# Altium PCB OpenCore_Carrier_Board.PcbDoc (part 3 of 5) (continued)
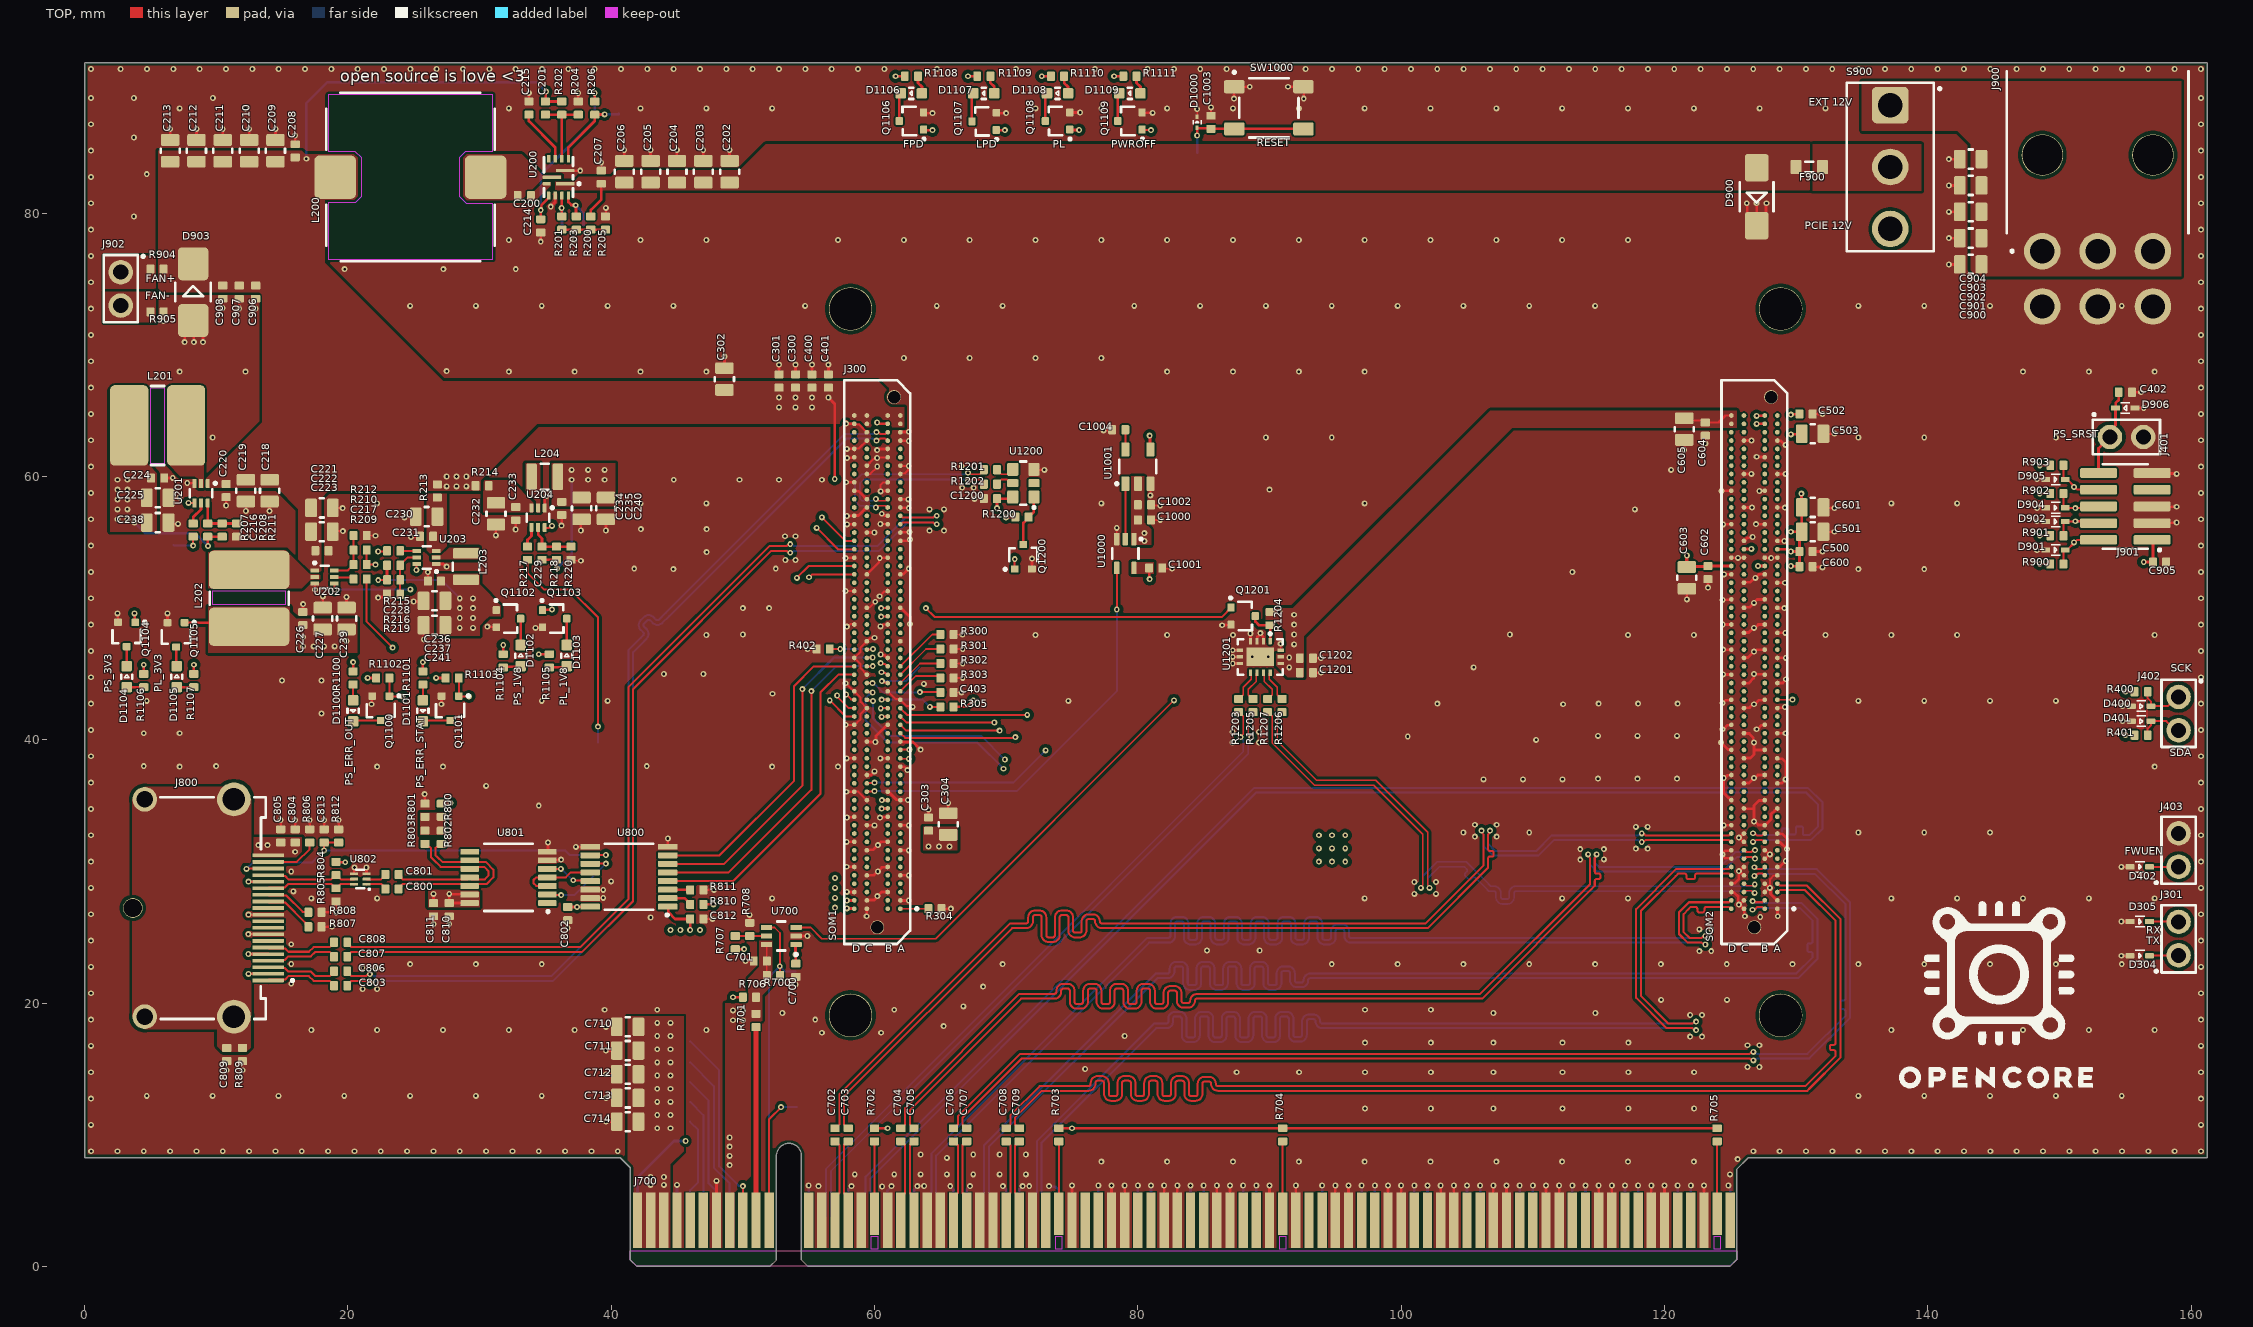
[diagram p0: TOP view]
## Nets (pads, with @x,y where several pads share a name; then routed paths per layer and width w, separated by ;. In a path a pad name is that pad's centre, name@x,y a point inside that pad or via, vN(x,y) a via of type N, cw(c..) or ccw(c..) an arc to the next point about the centre after c; other vN are vias at no path point) (continued)
  BOT w0.203: J700.A4@45,3.5 v1(45,6.2) ; J700.A12@55,3.5 v1(55,6.15) ; J700.A15@58,3.5 58,5.85 v1(58.25,6.1) ; J700.A18@61,3.5 60.975,3.525 60.975,5.786 v1(61.289,6.1) ; J700.A20@63,3.5 63,5.85 v1(63.25,6.1) ; v1(65.75,6.1) 66,5.85 J700.A23@66,3.5 ; J700.A24@67,3.5 67,5.85 v1(67.25,6.1) ; v1(69.75,6.1) 70,5.85 J700.A27@70,3.5 ; J700.A28@71,3.5 71,5.85 v1(71.25,6.1) ; v1(73.25,6.1) 73.297,6.053 73.747,6.053 74,5.8 J700.A31@74,3.5 ; J700.A34@77,3.5 v1(77,6.15) ; J700.A37@80,3.5 v1(80,6.15) ; J700.A38@81,3.5 v1(81,6.15) ; J700.A41@84,3.5 v1(84,6.15) ; J700.A42@85,3.5 v1(85,6.15) ; J700.A45@88,3.5 v1(88,6.15) ; J700.A46@89,3.5 v1(89,6.15) ; J700.A49@92,3.5 v1(92,6.15) ; J700.A51@94,3.5 v1(94,6.15) ; J700.A54@97,3.5 v1(97,6.15) ; J700.A55@98,3.5 v1(98,6.15) ; J700.A58@101,3.5 v1(101,6.15) ; J700.A59@102,3.5 v1(102,6.15) ; J700.A62@105,3.5 v1(105,6.15) ; J700.A63@106,3.5 v1(106,6.15) ; J700.A66@109,3.5 v1(109,6.15) ; J700.A67@110,3.5 v1(110,6.15) ; J700.A70@113,3.5 v1(113,6.15) ; J700.A71@114,3.5 v1(114,6.15) ; J700.A74@117,3.5 v1(117,6.15) ; J700.A75@118,3.5 v1(118,6.15) ; J700.A78@121,3.5 v1(121,6.15) ; J700.A79@122,3.5 v1(122,6.15) ; v1(124.85,6.15) 124.85,6.083 125,5.933 J700.A82@125,3.5
  other v1: 60.575,6.075 55.75,6.1 71.75,6.1 63.767,6.111 58.5,7 61.5,7 63.5,7 65.5,7 67.5,7 69.5,7 71.5,7 124.975,7 77.227,7.963 82.227,7.963 87.227,7.963 92.227,7.963 97.227,7.963 102.227,7.963 107.227,7.963 112.227,7.963 117.227,7.963 122.227,7.963 125.55,8.15 65.5,8.25 63.5,8.5 67.5,8.5 69.5,8.5 71.5,8.5 0.5,8.75 2.5,8.75 4.5,8.75 6.5,8.75 8.5,8.75 10.5,8.75 12.5,8.75 14.5,8.75 16.5,8.75 18.5,8.75 20.5,8.75 22.5,8.75 24.5,8.75 26.5,8.75 28.5,8.75 30.5,8.75 32.5,8.75 34.5,8.75 36.5,8.75 38.5,8.75 40.5,8.75 126.75,8.75 128.75,8.75 130.75,8.75 132.75,8.75 134.75,8.75 136.75,8.75 138.75,8.75 140.75,8.75 142.75,8.75 144.75,8.75 146.75,8.75 148.75,8.75 150.75,8.75 152.75,8.75 154.75,8.75 156.75,8.75 158.75,8.75 160.75,8.75 0.493,10.75 160.75,10.75 97.25,12 102.25,12 107,12 112.25,12 117.25,12 122.25,12 0.493,12.75 160.75,12.75 4.727,12.963 9.727,12.963 14.727,12.963 19.727,12.963 24.727,12.963 29.727,12.963 34.727,12.963 134.727,12.963 139.727,12.963 144.727,12.963 149.727,12.963 154.727,12.963 0.493,14.75 87.5,14.75 92.25,14.75 97.25,14.75 102.25,14.75 107,14.75 112.25,14.75 117.25,14.75 122.25,14.75 160.75,14.75 76,15 126.3,15.153 127.2,15.153 0.493,16.75 160.75,16.75 126.3,16.803 127.2,16.803 97.25,17 102.25,17 107,17 112.25,17 117.25,17 121.95,17.45 122.85,17.45 79,17.5 56,17.75 60.5,17.75 17.227,17.963 22.227,17.963 27.227,17.963 32.227,17.963 37.227,17.963 47.227,17.963 137.227,17.963 142.227,17.963 147.227,17.963 152.227,17.963 157.227,17.963 65.25,18.25 0.493,18.75 55.5,18.75 160.75,18.75 121.95,19.1 122.85,19.1 53,19.25 107,19.25 114.75,19.25 39.5,19.5 43.5,19.5 61.5,19.5 97.25,19.5 102.25,19.5 66.75,19.75 119.75,20.25 124.75,20.25 0.493,20.75 160.75,20.75 21.125,21.07 22.225,21.07 68.25,21.25 15.7,21.475 21.125,22.68 22.225,22.68 0.493,22.75 160.75,22.75 15.7,22.97 24.727,22.963 29.727,22.963 34.727,22.963 69.727,22.963 94.727,22.963 99.727,22.963 104.727,22.963 109.727,22.963 114.727,22.963 119.727,22.963 124.727,22.963 129.727,22.963 134.727,22.963 139.727,22.963 144.727,22.963 149.727,22.963 154.727,22.963 122.65,23.95 123.55,23.95 85.25,24 89.25,24 15.7,24.475 0.493,24.75 160.75,24.75 122.65,25.6 123.55,25.6 43,26.5 127.275,26.546 0.493,26.75 160.75,26.75 17.227,27.963 22.227,27.963 52.227,27.963 97.227,27.963 112.227,27.963 117.227,27.963 137.227,27.963 142.227,27.963 147.227,27.963 152.227,27.963 157.227,27.963 60.221,28.125 101,28.3 102.65,28.3 15.86,28.486 0.493,28.75 160.75,28.75 101,29.2 102.65,29.2 40,29.25 15.7,30 0.493,30.75 160.75,30.75 113.6,30.9 115.4,30.925 124.4,31.3 113.6,31.7 115.4,31.7 117.825,31.74 118.725,31.74 105.6,32.65 107.25,32.65 0.493,32.75 160.75,32.75 104.727,32.963 109.727,32.963 134.727,32.963 139.727,32.963 144.727,32.963 117.825,33.39 118.725,33.39 105.6,33.55 107.25,33.55 0.493,34.75 160.75,34.75 34.5,35 30.5,36.5 0.493,36.75 160.75,36.75 106.25,37 109.25,37 112.25,37 114.95,37.05 117.95,37.05 120.95,37.05 7.227,37.963 22.227,37.963 27.227,37.963 52.227,37.963 57.227,37.963 157.227,37.963 4.5,38 10,38 42.7,38 0.493,38.75 160.75,38.75 87.2,39.8 89.2,39.8 110.25,40 100.5,40.25 114.95,40.3 117.95,40.3 120.95,40.3 4.5,40.5 7.227,40.5 87.2,40.6 89.2,40.6 0.493,40.75 160.75,40.75 18,42 112.3,42.7 0.493,42.75 102.75,42.75 115,42.75 118,42.75 121,42.75 160.75,42.75 4.727,42.963 34.727,42.963 39.727,42.963 74.727,42.963 134.727,42.963 139.727,42.963 144.727,42.963 149.727,42.963 52.25,43.5 63.75,44.25 15,44.5 18,44.5 0.493,44.75 160.75,44.75 44,45 47,45 105.5,45.5 88.7,46.3 89.9,46.3 0.493,46.75 160.75,46.75 47.227,47.963 72.227,47.963 82.227,47.963 87.227,47.963 117.227,47.963 122.227,47.963 132.227,47.963 137.227,47.963 142.227,47.963 157.227,47.963 50,48 108.25,48 126.8,48.5 0.493,48.75 160.75,48.75 50,50 52,50 0.493,50.75 160.75,50.75 0.493,52.75 113,52.75 160.75,52.75 44.727,52.963 134.727,52.963 139.727,52.963 41.75,53 52.5,53 53.225,53.658 54,53.658 47.25,54.25 0.493,54.75 160.75,54.75 53.2,55.458 54,55.458 64.175,55.89 65.275,55.89 42.25,56 47.25,56 0.493,56.75 160.75,56.75 64.175,57.5 65.275,57.5 117.75,57.5 22.227,57.963 42.227,57.963 47.227,57.963 77.227,57.963 97.227,57.963 137.227,57.963 142.227,57.963 0.493,58.75 160.75,58.75 90,59 66.65,59.15 67.525,59.15 44.75,59.75 49.75,59.75 52.75,59.75 56,59.75 120.5,60.5 0.493,60.75 160.75,60.75 66.625,60.775 67.525,60.8 0.493,62.75 160.75,62.75 9.727,62.963 89.727,62.963 94.727,62.963 134.727,62.963 139.727,62.963 149.727,62.963 0.493,64.75 160.75,64.75 0.493,66.75 160.75,66.75 7.227,67.963 12.227,67.963 32.227,67.963 37.227,67.963 42.227,67.963 47.227,67.963 82.227,67.963 87.227,67.963 92.227,67.963 97.227,67.963 147.227,67.963 152.227,67.963 157.227,67.963 27.5,68 0.493,68.75 160.75,68.75 62.227,69 67.227,69 72.227,69 77.227,69 0.493,70.75 160.75,70.75 0.493,72.75 160.75,72.75 24.727,72.963 29.727,72.963 34.727,72.963 39.727,72.963 44.727,72.963 54.727,72.963 64.727,72.963 69.727,72.963 79.727,72.963 84.727,72.963 89.727,72.963 94.727,72.963 99.727,72.963 104.727,72.963 109.727,72.963 114.727,72.963 134.727,72.963 139.727,72.963 144.727,72.963 154.727,72.963 0.493,74.75 160.75,74.75 19.75,75.75 27.25,75.75 32.75,75.75 0.493,76.75 160.75,76.75 32.227,77.963 37.227,77.963 42.227,77.963 47.227,77.963 57.227,77.963 62.227,77.963 67.227,77.963 72.227,77.963 77.227,77.963 82.227,77.963 87.227,77.963 92.227,77.963 97.227,77.963 102.227,77.963 107.227,77.963 112.227,77.963 117.227,77.963 0.493,78.75 160.75,78.75 3.75,79.75 0.493,80.75 160.75,80.75 0.493,82.75 160.75,82.75 4.727,82.963 0.493,84.75 160.75,84.75 3.75,85.75 0.493,86.75 160.75,86.75 7.227,87.963 12.227,87.963 32.227,87.963 42.227,87.963 47.227,87.963 52.227,87.963 72.227,87.963 77.227,87.963 82.227,87.963 87.227,87.963 92.227,87.963 97.227,87.963 102.227,87.963 107.227,87.963 112.227,87.963 117.227,87.963 122.227,87.963 127.227,87.963 132.227,87.963 0.493,88.75 3.75,88.75 9.75,88.75 160.75,88.75 0.493,90.95 2.743,90.95 4.743,90.95 6.743,90.95 8.743,90.95 10.743,90.95 12.743,90.95 14.743,90.95 16.743,90.95 18.743,90.95 20.743,90.95 22.743,90.95 24.743,90.95 26.743,90.95 28.743,90.95 30.743,90.95 32.743,90.95 34.743,90.95 36.743,90.95 38.743,90.95 40.743,90.95 42.743,90.95 44.743,90.95 46.743,90.95 48.743,90.95 50.743,90.95 52.743,90.95 54.743,90.95 56.743,90.95 58.743,90.95 60.743,90.95 64.743,90.95 70.743,90.95 76.743,90.95 80.743,90.95 82.743,90.95 84.743,90.95 86.743,90.95 88.743,90.95 90.743,90.95 92.743,90.95 94.743,90.95 96.743,90.95 98.743,90.95 100.743,90.95 102.743,90.95 104.743,90.95 106.743,90.95 108.743,90.95 110.743,90.95 112.743,90.95 114.743,90.95 116.743,90.95 118.743,90.95 120.743,90.95 122.743,90.95 124.743,90.95 126.743,90.95 128.743,90.95 130.743,90.95 132.743,90.95 134.743,90.95 136.743,90.95 138.743,90.95 140.743,90.95 142.743,90.95 144.743,90.95 146.743,90.95 148.743,90.95 150.743,90.95 152.743,90.95 154.742,90.95 156.743,90.95 158.742,90.95 160.742,90.95
GTH_DP0_C2M_N: J300.S2_B10 J700.A17 | length 97.5
  TOP w0.152: v1(126.725,32.902) 126.806,32.902 126.9,32.807 126.952,32.807 127.016,32.743 127.424,32.743 127.564,32.882 J300.S2_B10@127.615,32.882
  BOT w0.152: J700.A17@60,3.5 60,5.25 59.678,5.572 59.678,6.675 79.507,26.504 89.003,36 130.747,36 131.644,35.103 131.644,33.4 131.184,32.94 130.997,32.752 130.66,32.752 cw(c130.66,32.905) 130.508,32.905 130.508,33.289 ccw(c130.375,33.289) 130.375,33.422 130.108,33.422 ccw(c130.108,33.289) 129.975,33.289 129.975,32.937 cw(c129.841,32.937) 129.841,32.803 129.574,32.803 cw(c129.574,32.937) 129.441,32.937 129.441,33.127 ccw(c129.308,33.127) 129.308,33.26 129.041,33.26 ccw(c129.041,33.127) 128.908,33.127 128.908,32.905 cw(c128.755,32.905) 128.755,32.752 128.458,32.752 127.007,32.752 126.952,32.807 126.9,32.807 126.806,32.902 v1(126.725,32.902)
GTH_DP0_C2M_P: J300.S2_B9 J700.A16 | length 97.5
  TOP w0.152: v1(126.722,32.252) 126.803,32.252 126.938,32.387 127.424,32.387 127.564,32.247 J300.S2_B9@127.615,32.247
  BOT w0.152: J700.A16@59,3.5 59,5.25 59.322,5.572 59.322,6.822 79.151,26.651 88.856,36.356 130.894,36.356 132,35.25 132,33.253 131.144,32.397 127.005,32.397 126.917,32.309 126.779,32.309 v1(126.722,32.252)
GTH_DP0_M2C_C_N: C703.1 J700.B15 | length 6.3
  TOP w0.152: J700.B15@58,3.5 58,5.25 57.678,5.572 57.678,9.228 57.95,9.5 C703.1@58,9.5
GTH_DP0_M2C_C_P: C702.1 J700.B14 | length 6.3
  TOP w0.152: J700.B14@57,3.5 57,5.25 57.322,5.572 57.322,9.228 57.05,9.5 C702.1@57,9.5
GTH_DP0_M2C_N: C703.2 J300.S2_D10 | length 89.7
  TOP w0.152: C703.2@58,10.5 57.95,10.5 57.678,10.772 57.678,12.931 70.447,25.7 71.256,25.7 71.51,25.7 ccw(c71.51,26.221) 72.031,26.221 72.031,26.521 cw(c72.196,26.521) 72.196,26.686 72.526,26.686 cw(c72.526,26.521) 72.691,26.521 72.691,25.161 ccw(c73.212,25.161) 73.212,24.641 73.542,24.641 ccw(c73.542,25.161) 74.063,25.161 74.063,26.521 cw(c74.228,26.521) 74.228,26.686 74.558,26.686 cw(c74.558,26.521) 74.723,26.521 74.723,25.512 ccw(c75.244,25.512) 75.244,24.991 75.574,24.991 ccw(c75.574,25.512) 76.095,25.512 76.095,26.221 cw(c76.26,26.221) 76.26,26.386 76.59,26.386 cw(c76.59,26.221) 76.755,26.221 ccw(c77.276,26.221) 77.276,25.7 80.158,25.7 102.003,25.7 106.603,30.3 106.603,30.506 106.603,30.989 cw(c106.755,30.989) 106.755,31.141 106.925,31.141 ccw(c106.925,31.243) 107.026,31.243 107.026,31.446 ccw(c106.925,31.446) 106.925,31.548 106.755,31.548 cw(c106.755,31.7) 106.603,31.7 106.603,32.426 106.603,32.818 106.693,32.908 106.693,33.043 v1(106.75,33.1) ; v1(118.275,32.89) 118.332,32.833 118.467,32.833 118.557,32.742 121.846,32.742 ; 121.847,32.743 124.884,32.743 125.024,32.882 J300.S2_D10@125.075,32.882
  BOT w0.152: v1(106.75,33.1) 106.693,33.043 106.693,32.908 106.603,32.818 106.603,32.1 107.147,31.556 110.256,31.556 111.442,32.742 117.993,32.742 118.083,32.833 118.218,32.833 v1(118.275,32.89)
GTH_DP0_M2C_P: C702.2 J300.S2_D9 | length 89.7
  TOP w0.152: C702.2@57,10.5 57.05,10.5 57.322,10.772 57.322,13.078 70.3,26.056 71.256,26.056 71.51,26.056 ccw(c71.51,26.221) 71.675,26.221 71.675,26.521 cw(c72.196,26.521) 72.196,27.042 72.526,27.042 cw(c72.526,26.521) 73.047,26.521 73.047,25.161 ccw(c73.212,25.161) 73.212,24.996 73.542,24.996 ccw(c73.542,25.161) 73.707,25.161 73.707,26.521 cw(c74.228,26.521) 74.228,27.042 74.558,27.042 cw(c74.558,26.521) 75.079,26.521 75.079,25.512 ccw(c75.244,25.512) 75.244,25.347 75.574,25.347 ccw(c75.574,25.512) 75.739,25.512 75.739,26.221 cw(c76.26,26.221) 76.26,26.741 76.59,26.741 cw(c76.59,26.221) 77.111,26.221 ccw(c77.276,26.221) 77.276,26.056 80.158,26.056 101.856,26.056 106.247,30.447 106.247,32.818 106.157,32.908 106.157,33.043 v1(106.1,33.1) ; v1(118.275,32.24) 118.332,32.296 118.467,32.296 118.557,32.387 121.994,32.387 ; 121.994,32.387 124.884,32.387 125.024,32.247 J300.S2_D9@125.075,32.247
  BOT w0.152: v1(106.1,33.1) 106.157,33.043 106.157,32.908 106.247,32.818 106.247,31.953 107,31.2 110.403,31.2 111.59,32.387 117.993,32.387 118.083,32.296 118.218,32.296 v1(118.275,32.24)
GTH_DP1_C2M_N: J300.S2_D2 J700.A22 | length 97.5
  TOP w0.152: v1(123.1,24.45) 123.043,24.507 122.908,24.507 122.818,24.597 121.753,24.597 121.1,25.25 121.1,26.903 121.86,27.663 124.884,27.663 125.024,27.802 J300.S2_D2@125.075,27.802
  BOT w0.152: J700.A22@65,3.5 65,5.25 64.678,5.572 64.678,8.425 80.85,24.597 82.056,24.597 82.31,24.597 ccw(c82.31,25.118) 82.83,25.118 82.83,26.04 cw(c82.995,26.04) 82.995,26.205 83.326,26.205 cw(c83.326,26.04) 83.491,26.04 83.491,24.976 ccw(c84.011,24.976) 84.011,24.456 84.342,24.456 ccw(c84.342,24.976) 84.862,24.976 84.862,26.04 cw(c85.027,26.04) 85.027,26.205 85.358,26.205 cw(c85.358,26.04) 85.523,26.04 85.523,24.976 ccw(c86.043,24.976) 86.043,24.456 86.374,24.456 ccw(c86.374,24.976) 86.894,24.976 86.894,26.04 cw(c87.059,26.04) 87.059,26.205 87.39,26.205 cw(c87.39,26.04) 87.555,26.04 87.555,24.976 ccw(c88.075,24.976) 88.075,24.456 88.406,24.456 ccw(c88.406,24.976) 88.926,24.976 88.926,26.04 cw(c89.091,26.04) 89.091,26.205 89.422,26.205 cw(c89.422,26.04) 89.587,26.04 89.587,24.976 ccw(c90.107,24.976) 90.107,24.456 90.438,24.456 ccw(c90.438,24.976) 90.958,24.976 90.958,26.04 cw(c91.123,26.04) 91.123,26.205 91.454,26.205 cw(c91.454,26.04) 91.619,26.04 91.619,24.976 ccw(c92.139,24.976) 92.139,24.456 92.47,24.456 ccw(c92.47,24.976) 92.99,24.976 92.99,26.04 cw(c93.155,26.04) 93.155,26.205 93.486,26.205 cw(c93.486,26.04) 93.651,26.04 93.651,24.976 ccw(c94.171,24.976) 94.171,24.456 94.502,24.456 ccw(c94.502,24.976) 95.022,24.976 95.022,25.468 cw(c95.187,25.468) 95.187,25.633 95.518,25.633 cw(c95.518,25.468) 95.683,25.468 95.683,25.118 ccw(c96.203,25.118) 96.203,24.597 97.756,24.597 122.818,24.597 122.908,24.507 123.043,24.507 v1(123.1,24.45)
GTH_DP1_C2M_P: J300.S2_D1 J700.A21 | length 97.5
  TOP w0.152: v1(123.1,25.1) 123.043,25.043 122.908,25.043 122.818,24.953 121.9,24.953 121.456,25.397 121.456,26.756 121.817,27.117 122.007,27.307 122.341,27.307 cw(c122.341,27.155) 122.493,27.155 122.493,27.023 ccw(c122.627,27.023) 122.627,26.89 122.894,26.89 ccw(c122.894,27.023) 123.027,27.023 123.027,27.155 cw(c123.179,27.155) 123.179,27.307 123.588,27.307 124.884,27.307 125.024,27.167 J300.S2_D1@125.075,27.167
  BOT w0.152: J700.A21@64,3.5 64,5.25 64.322,5.572 64.322,8.572 80.703,24.953 82.056,24.953 82.31,24.953 ccw(c82.31,25.118) 82.475,25.118 82.475,26.04 cw(c82.995,26.04) 82.995,26.561 83.326,26.561 cw(c83.326,26.04) 83.846,26.04 83.846,24.976 ccw(c84.011,24.976) 84.011,24.811 84.342,24.811 ccw(c84.342,24.976) 84.507,24.976 84.507,26.04 cw(c85.027,26.04) 85.027,26.561 85.358,26.561 cw(c85.358,26.04) 85.878,26.04 85.878,24.976 ccw(c86.043,24.976) 86.043,24.811 86.374,24.811 ccw(c86.374,24.976) 86.539,24.976 86.539,26.04 cw(c87.059,26.04) 87.059,26.561 87.39,26.561 cw(c87.39,26.04) 87.91,26.04 87.91,24.976 ccw(c88.075,24.976) 88.075,24.811 88.406,24.811 ccw(c88.406,24.976) 88.571,24.976 88.571,26.04 cw(c89.091,26.04) 89.091,26.561 89.422,26.561 cw(c89.422,26.04) 89.942,26.04 89.942,24.976 ccw(c90.107,24.976) 90.107,24.811 90.438,24.811 ccw(c90.438,24.976) 90.603,24.976 90.603,26.04 cw(c91.123,26.04) 91.123,26.561 91.454,26.561 cw(c91.454,26.04) 91.974,26.04 91.974,24.976 ccw(c92.139,24.976) 92.139,24.811 92.47,24.811 ccw(c92.47,24.976) 92.635,24.976 92.635,26.04 cw(c93.155,26.04) 93.155,26.561 93.486,26.561 cw(c93.486,26.04) 94.006,26.04 94.006,24.976 ccw(c94.171,24.976) 94.171,24.811 94.502,24.811 ccw(c94.502,24.976) 94.667,24.976 94.667,25.468 cw(c95.187,25.468) 95.187,25.988 95.518,25.988 cw(c95.518,25.468) 96.038,25.468 96.038,25.118 ccw(c96.203,25.118) 96.203,24.953 97.756,24.953 122.818,24.953 122.908,25.043 123.043,25.043 v1(123.1,25.1)
GTH_DP1_M2C_C_N: C705.1 J700.B20 | length 6.3
  TOP w0.152: J700.B20@63,3.5 63,5.25 62.678,5.572 62.678,9.228 62.95,9.5 C705.1@63,9.5
GTH_DP1_M2C_C_P: C704.1 J700.B19 | length 6.3
  TOP w0.152: J700.B19@62,3.5 62,5.25 62.322,5.572 62.322,9.228 62.05,9.5 C704.1@62,9.5
GTH_DP1_M2C_N: C705.2 J300.S2_C8 | length 89.7
  TOP w0.152: C705.2@63,10.5 62.95,10.5 62.678,10.772 62.678,11.878 71.144,20.344 73.4,20.344 73.654,20.344 ccw(c73.654,20.865) 74.175,20.865 74.175,20.941 cw(c74.34,20.941) 74.34,21.106 74.67,21.106 cw(c74.67,20.941) 74.835,20.941 74.835,20.103 ccw(c75.356,20.103) 75.356,19.582 75.686,19.582 ccw(c75.686,20.103) 76.207,20.103 76.207,20.941 cw(c76.372,20.941) 76.372,21.106 76.702,21.106 cw(c76.702,20.941) 76.867,20.941 76.867,20.103 ccw(c77.388,20.103) 77.388,19.582 77.718,19.582 ccw(c77.718,20.103) 78.239,20.103 78.239,20.941 cw(c78.404,20.941) 78.404,21.106 78.734,21.106 cw(c78.734,20.941) 78.899,20.941 78.899,20.103 ccw(c79.42,20.103) 79.42,19.582 79.75,19.582 ccw(c79.75,20.103) 80.271,20.103 80.271,20.941 cw(c80.436,20.941) 80.436,21.106 80.766,21.106 cw(c80.766,20.941) 80.931,20.941 80.931,20.103 ccw(c81.452,20.103) 81.452,19.582 81.782,19.582 ccw(c81.782,20.103) 82.303,20.103 82.303,20.778 cw(c82.468,20.778) 82.468,20.943 82.798,20.943 cw(c82.798,20.778) 82.963,20.778 82.963,20.179 ccw(c83.484,20.179) 83.484,19.659 83.814,19.659 ccw(c83.814,20.179) 84.335,20.179 cw(c84.5,20.179) 84.5,20.344 85.751,20.344 106.147,20.344 114.443,28.64 114.703,28.9 114.703,29.275 cw(c114.855,29.275) 114.855,29.428 115.021,29.428 ccw(c115.021,29.529) 115.122,29.529 115.122,29.733 ccw(c115.021,29.733) 115.021,29.834 114.855,29.834 cw(c114.855,29.987) 114.703,29.987 114.703,30.519 114.703,31.018 114.793,31.108 114.793,31.243 v1(114.85,31.3) ; J300.S2_C8@126.035,31.612 126.086,31.612 126.226,31.473 126.593,31.473 126.683,31.563 126.818,31.563 v1(126.875,31.62)
  BOT w0.152: v1(114.85,31.3) 114.793,31.243 114.793,31.108 114.703,31.018 114.703,30.662 115.019,30.346 124.246,30.346 125.164,31.264 125.373,31.473 126.593,31.473 126.683,31.563 126.818,31.563 v1(126.875,31.62)